# Altium PCB BMS.PcbDoc (part 1 of 2)
Units mil, origin at the board's own origin, x right, y up, seen from the top; angles counter-clockwise.
Board outline 3724.71 x 1020 mil, 4 copper layers (Component Side, Ground Plane, Power Plane, Solder Side), stack 33.234 mil thick; 191 components, 131 nets, 588 pads, 557 vias.
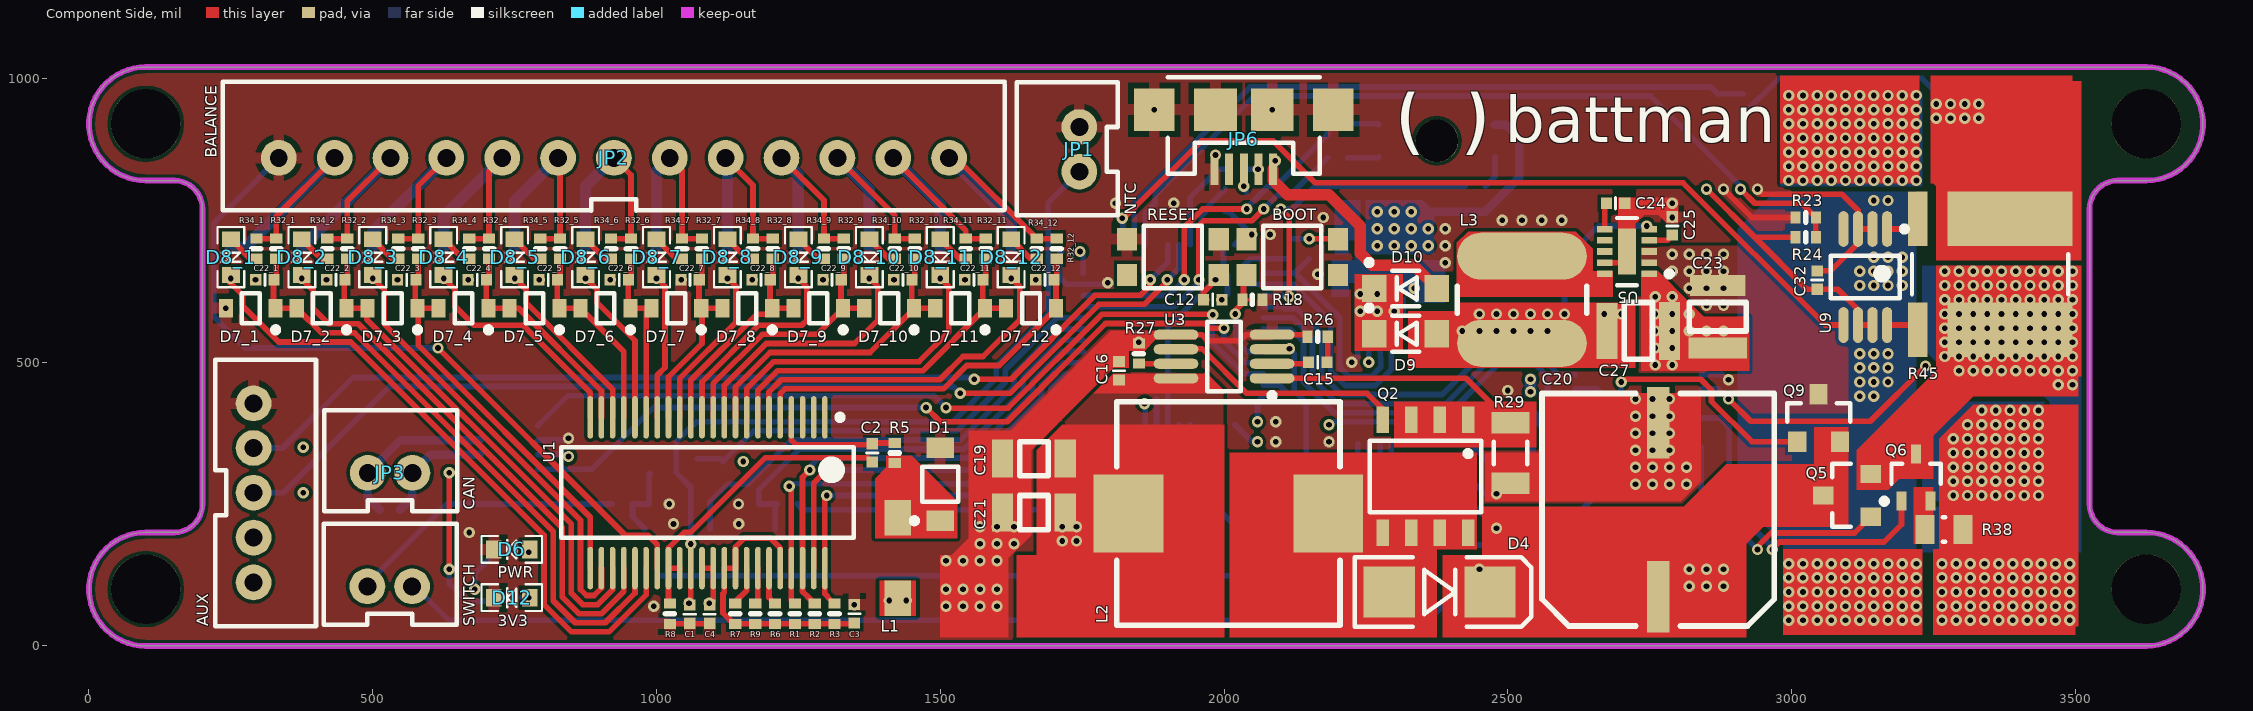
[diagram p0: Component Side view]
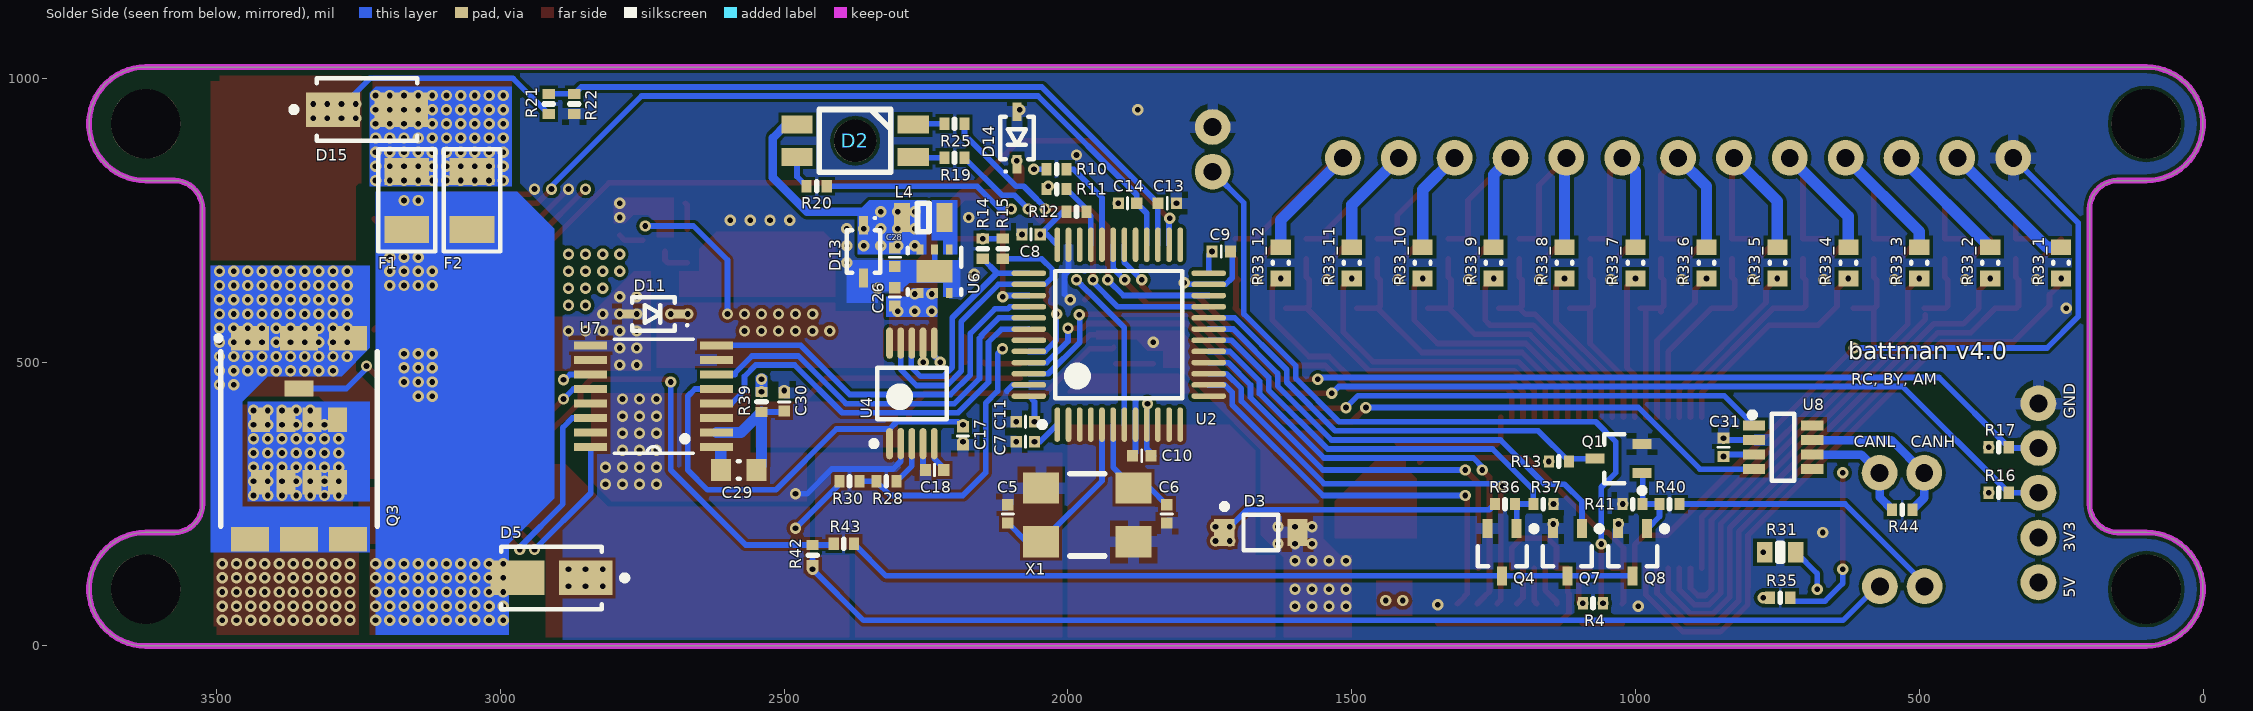
[diagram p1: Solder Side view, seen from below]
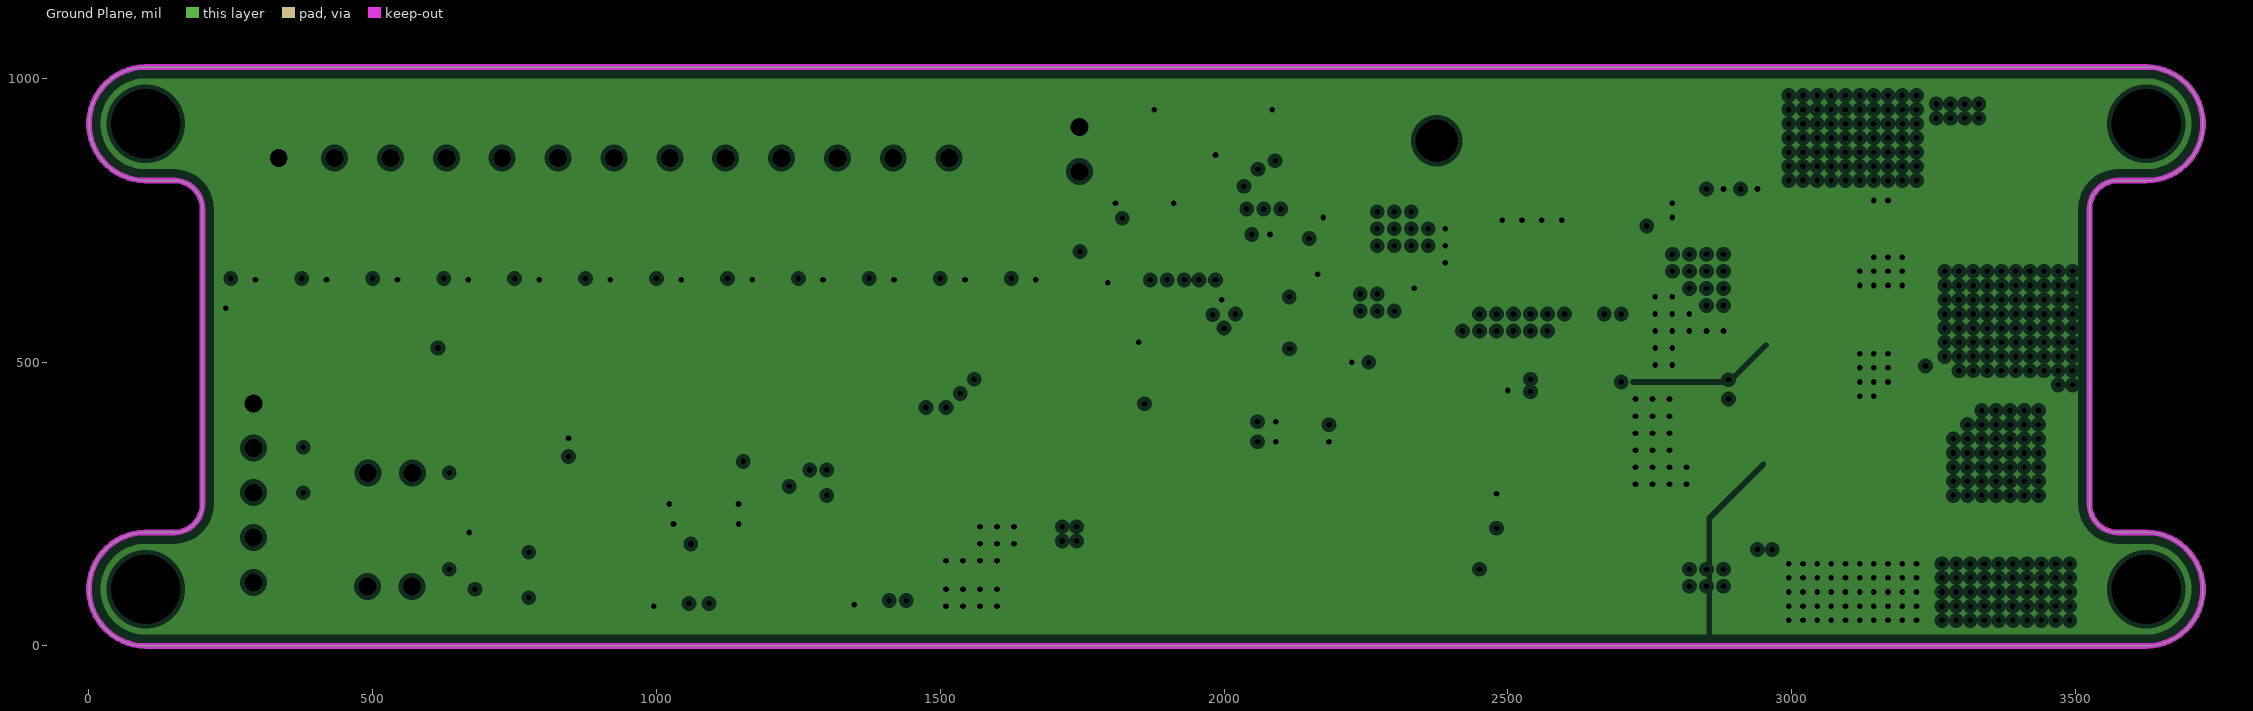
[diagram p2: Ground Plane, clearances drawn from the general rule]
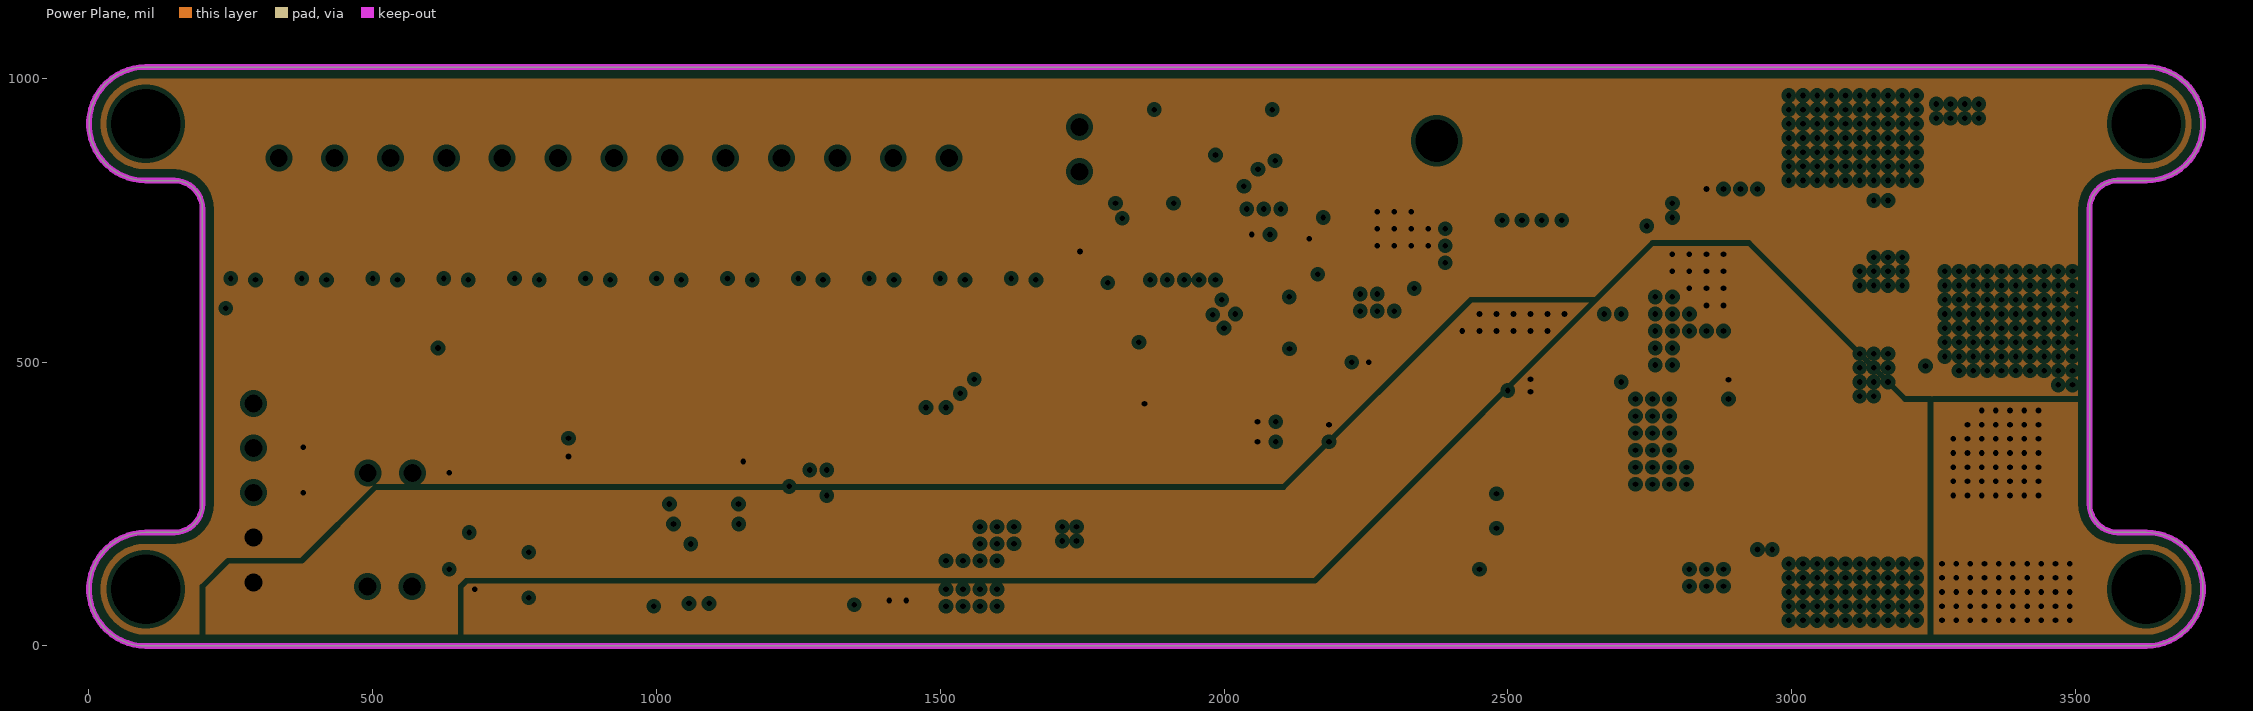
[diagram p3: Power Plane, clearances drawn from the general rule]
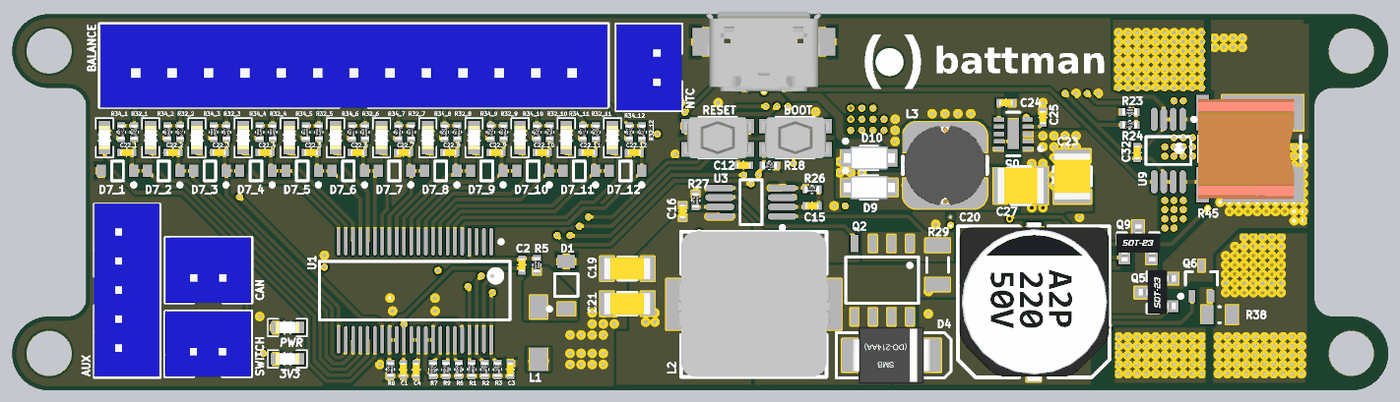
[diagram p5: 3D render of the assembled board from above, using the file's embedded part models]
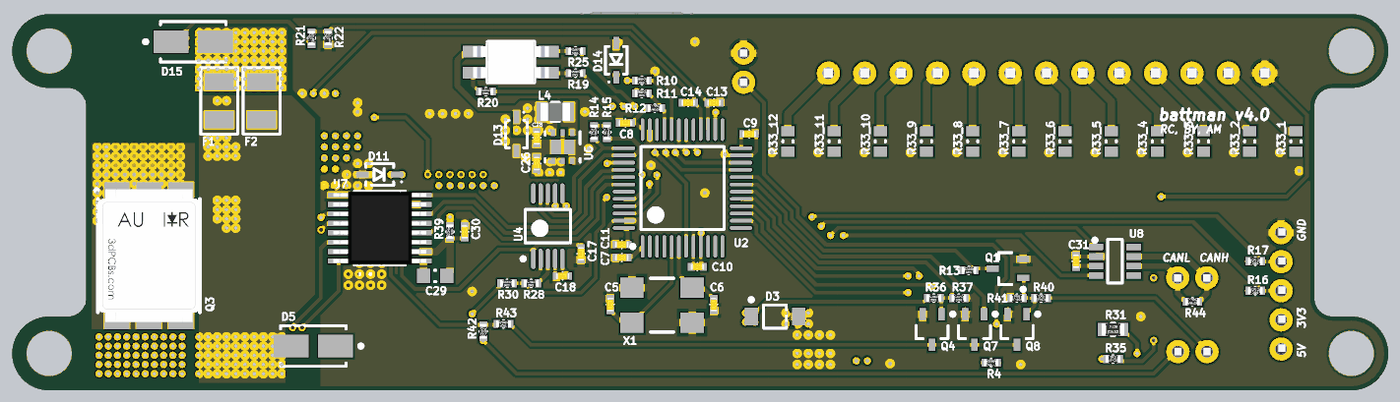
[diagram p6: 3D render of the assembled board from below, using the file's embedded part models]

## Layer stack, top to bottom
Top Solder: solder mask 0.4, Solder Resist, Dk 3.5
Component Side: signal copper 1.4
Dielectric 1: core 12.6, FR-4, Dk 4.8
Ground Plane: plane copper 1.417, net GND
Dielectric 3: prepreg 5, Dk 4.2
Power Plane: plane copper 1.417, net (Multiple Nets)
Dielectric 4: core 10, Dk 4.2
Solder Side: signal copper 1.4
Bottom Solder: solder mask 0.4, Solder Resist, Dk 3.5

## Board outline
100,200 150,200 ccw(c150,250) 200,250 200,770 ccw(c150,770) 150,820 100,820 cw(c100,920) 100,1020 3625,1020 cw(c3625,920) 3625,820 3575,820 ccw(c3575,770) 3525,770 3525,250 ccw(c3575,250) 3575,200 3625,200 cw(c3625,100) 3625,0 100,0 cw(c100,100)

## Design rules (kind name [scope] priority, off if disabled: settings)
Clearance [All] p1: gap=6
HoleSize [All] p1: absolutevalues=TRUE maxlimit=500 minlimit=1 maxpercent=80.000 minpercent=20.000
MinimumSolderMaskSliver [All] p1: minsoldermaskwidth=3
PlaneClearance [All] p1: clearance=8
PlaneConnect [All] p1: planeconnectstyle=Direct reliefexpansion=20 reliefentries=4 reliefconductorwidth=10 reliefairgap=10
PolygonConnect PolygonConnectPower [IsNamedPolygon('Power')] p1: connectstyle=Direct reliefconductorwidth=10 reliefentries=4 polygonreliefangle="90 Angle" airgapwidth=10
PolygonConnect PolygonConnectVDD [All vs InNet('VDD')] p2: connectstyle=Direct reliefconductorwidth=10 reliefentries=4 polygonreliefangle="90 Angle" airgapwidth=10
PolygonConnect PolygonConnectVia [All vs IsVia] p3: connectstyle=Direct reliefconductorwidth=10 reliefentries=4 polygonreliefangle="90 Angle" airgapwidth=10
PolygonConnect [All] p4: connectstyle=Relief reliefconductorwidth=20 reliefentries=4 polygonreliefangle="90 Angle" airgapwidth=10
RoutingVias [All] p1: holewidth=10 width=20 viastyle="Through Hole" minholewidth=10 minwidth=20 maxholewidth=28 maxwidth=50
SilkToSilkClearance [All] p1: silktosilkclearance=0
SolderMaskExpansion SolderMaskExpansionVia [IsVia] p1: expansion=1 soldermaskfromhole=TRUE
SolderMaskExpansion [All] p2: expansion=3
Width [All] p1: maxlimit=500 minlimit=10 preferedwidth=10 minimp=50.000000 maximp=50.000000 favimp=50.000000
25 further rules are at their usual default settings.

## Classes and differential pairs
component class U_Switches: C9 C29 C? D15 F1 F2 Q4 Q5 Q6 Q7 Q8 Q9 R36 R37 R38 R39 R40 R41 R42 R43 U7
component class U_LTC6803: C1 C2 C4 C27 D1 JP2 JP3 L1 R1 R2 R3 R4 R6 R7 R8 R9 R28 U1
component class U_Charging: C13 C15 C18 C19 C20 C27 C28 D4 D13 L2 Q7 R20 R27 R28 R29 R30 U2 U4
component class U_MCU: BOOT C4 C9 C11 C12 C14 C15 C23 C25 C29 C32 D13 Q1 R7 R9 R11 R13 R15 R16 R18 R19 R20 R21 R23 R24 R27 R39 R44 RESET U2 X1
channel class Cell: 1 2 3 4 5 6 7 8 9 10 11 12
component class U_3V3: C8 C12 C23 C24 C27 C28 D2 D6 D13 D14 D15 L2 L4 R15 U6 U9
component class 12: C22_12 D7_12 D8_12 R32_12 R33_12 R34_12
component class 11: C22_11 D7_11 D8_11 R32_11 R33_11 R34_11
component class 10: C22_10 D7_10 D8_10 R32_10 R33_10 R34_10
component class 9: C22_9 D7_9 D8_9 R32_9 R33_9 R34_9
component class 8: C22_8 D7_8 D8_8 R32_8 R33_8 R34_8
component class 7: C22_7 D7_7 D8_7 R32_7 R33_7 R34_7
component class 6: C22_6 D7_6 D8_6 R32_6 R33_6 R34_6
component class 5: C22_5 D7_5 D8_5 R32_5 R33_5 R34_5
component class 4: C22_4 D7_4 D8_4 R32_4 R33_4 R34_4
component class 3: C22_3 D7_3 D8_3 R32_3 R33_3 R34_3
component class 2: C22_2 D7_2 D8_2 R32_2 R33_2 R34_2
component class 1: C22_1 D7_1 D8_1 R32_1 R33_1 R34_1
component class U_CAN: C31 R44 U7
component class U_Connectors: AUX JP3 JP6 SWITCH
component class U_CurrentSense: C32 R45 U9
component class BMS: D10 R21

## Components (designator, comment, footprint, x,y, rotation, side; value= is the part's Value field where it differs from the comment)
AUX "AUX" JST-PH-5-PTH-VERT 290,270 r270 top (schematic designator JP5)
BOOT "" SWITCH 2120,685 r180 top
C1 "1uF 6.3V 0402" C0402[1005X55] 1058.6,55.98 r90 top
C2 "0.1uF 100V 0402" C0402[1005X55] 1380,340 r90 top
C3 "1uF 6.3V 0402" C0402[1005X55] 1348.6,56.72 r270 top
C4 "1uF 6.3V 0402" C0402[1005X55] 1093.6,55.98 r90 top
C5 "15pF 50V 0402" C0402[1005X55] 2105.86,232.5 r270 bottom
C6 "15pF 50V 0402" C0402[1005X55] 1825.86,232.5 r90 bottom
C7 "4.7uF 6.3V 0402" C0402[1005X55] 2075,360 r180 bottom
C8 "2.2uF 6.3V 0402" C0402[1005X55] 2065,725 r180 bottom
C9 "2.2uF 6.3V 0402" C0402[1005X55] 1730,695 r0 bottom
C10 "2.2uF 6.3V 0402" C0402[1005X55] 1870,335 r180 bottom
C11 "2.2uF 6.3V 0402" C0402[1005X55] 2075,395 r180 bottom
C12 "0.1uF 6.3V 0402" C0402[1005X55] 1980,610 r0 top
C13 "0.1uF 6.3V 0402" C0402[1005X55] 1825,780 r0 bottom
C14 "2.2uF 6.3V 0402" C0402[1005X55] 1895,780 r180 bottom
C15 "22nF 50V 0402" C0402[1005X55] 2165,500 r180 top
C16 "0.1uF 100V 0402" C0402[1005X55] 1815,485 r270 top
C17 "0.1uF 6.3V 0402" C0402[1005X55] 2185,370 r90 bottom
C18 "1uF 16V 0402" C0402[1005X55] 2235,310 r180 bottom
C19 "10uF 50V 1206" C1206[3216X160] 1665,330 r0 top
C20 "" "CAP 180UF 50V" 2765,240 r180 top
C21 "10uF 50V 1206" C1206[3216X160] 1665,235 r0 top
C22_1 "0.1uF 6.3V 0402" C0402[1005X55] 310,645 r0 top (schematic designator C22)
C22_2 "0.1uF 6.3V 0402" C0402[1005X55] 435,645 r0 top (schematic designator C22)
C22_3 "0.1uF 6.3V 0402" C0402[1005X55] 560,645 r0 top (schematic designator C22)
C22_4 "0.1uF 6.3V 0402" C0402[1005X55] 684.25,645 r0 top (schematic designator C22)
C22_5 "0.1uF 6.3V 0402" C0402[1005X55] 809.25,645 r0 top (schematic designator C22)
C22_6 "0.1uF 6.3V 0402" C0402[1005X55] 934.25,645 r0 top (schematic designator C22)
C22_7 "0.1uF 6.3V 0402" C0402[1005X55] 1059.25,645 r0 top (schematic designator C22)
C22_8 "0.1uF 6.3V 0402" C0402[1005X55] 1184.25,645 r0 top (schematic designator C22)
C22_9 "0.1uF 6.3V 0402" C0402[1005X55] 1309.25,645 r0 top (schematic designator C22)
C22_10 "0.1uF 6.3V 0402" C0402[1005X55] 1434.25,645 r0 top (schematic designator C22)
C22_11 "0.1uF 6.3V 0402" C0402[1005X55] 1559.25,645 r0 top (schematic designator C22)
C22_12 "0.1uF 6.3V 0402" C0402[1005X55] 1684.25,645 r0 top (schematic designator C22)
C23 "4.7uF 100V 1210" C1210[3225X200] 2870,580 r90 top
C24 "3.3nF 50V 0402" C0402[1005X55] 2690,780 r180 top
C25 "1uF 6.3V 0402" C0402[1005X55] 2790,740 r270 top
C26 "10uF 6.3V 0402" C0402[1005X55] 2305,615 r270 bottom
C27 "47uF 6.3V 1210" C1210[3225X250] 2730,555 r180 top
C28 "10uF 6.3V 0402" C0402[1005X55] 2305,685 r90 bottom
C29 "470nF" CAPC0603(1608)100_N 2580,310 r0 bottom
C30 "10nF 50V 0402" C0402[1005X55] 2500,430 r270 bottom
C31 "0.1uF 6.3V 0402" C0402[1005X55] 845,350 r270 bottom
C32 "0.1uF 6.3V 0402" C0402[1005X55] 3045,644.69 r270 top
D1 "" SOD-123#1 1500,285 r90 top
D2 "XZMDKCBDDG45S-9" XZMDKCBDDG45S-9 2375,890 r180 bottom
D3 "MMSZ24T1G" ONSC-SOD-123-2-425-04_V 1660,200 r180 bottom
D4 "CDBB560" DO-214AA 2380,95 r0 top
D5 "TVS 51V" VISH-DO-214AC-2_N 2910,120 r0 bottom
D6 "LED-BLUE" LED0603 745,170 r180 top
D7_1 "MM3Z12VT1G" ONSC-SOD-323-2-477-02_V 285,595 r180 top (schematic designator D7)
D7_2 "MM3Z12VT1G" ONSC-SOD-323-2-477-02_V 410,595 r180 top (schematic designator D7)
D7_3 "MM3Z12VT1G" ONSC-SOD-323-2-477-02_V 535,595 r180 top (schematic designator D7)
D7_4 "MM3Z12VT1G" ONSC-SOD-323-2-477-02_V 660,595 r180 top (schematic designator D7)
D7_5 "MM3Z12VT1G" ONSC-SOD-323-2-477-02_V 785,595 r180 top (schematic designator D7)
D7_6 "MM3Z12VT1G" ONSC-SOD-323-2-477-02_V 910,595 r180 top (schematic designator D7)
D7_7 "MM3Z12VT1G" ONSC-SOD-323-2-477-02_V 1035,595 r180 top (schematic designator D7)
D7_8 "MM3Z12VT1G" ONSC-SOD-323-2-477-02_V 1160,595 r180 top (schematic designator D7)
D7_9 "MM3Z12VT1G" ONSC-SOD-323-2-477-02_V 1285,595 r180 top (schematic designator D7)
D7_10 "MM3Z12VT1G" ONSC-SOD-323-2-477-02_V 1410,595 r180 top (schematic designator D7)
D7_11 "MM3Z12VT1G" ONSC-SOD-323-2-477-02_V 1535,595 r180 top (schematic designator D7)
D7_12 "MM3Z12VT1G" ONSC-SOD-323-2-477-02_V 1660,595 r180 top (schematic designator D7)
D8_1 "LED_0603" LED0603 250,685 r270 top (schematic designator D8)
D8_2 "LED_0603" LED0603 375,685 r270 top (schematic designator D8)
D8_3 "LED_0603" LED0603 500,685 r270 top (schematic designator D8)
D8_4 "LED_0603" LED0603 625,685 r270 top (schematic designator D8)
D8_5 "LED_0603" LED0603 750,685 r270 top (schematic designator D8)
D8_6 "LED_0603" LED0603 875,685 r270 top (schematic designator D8)
D8_7 "LED_0603" LED0603 1000,685 r270 top (schematic designator D8)
D8_8 "LED_0603" LED0603 1125,685 r270 top (schematic designator D8)
D8_9 "LED_0603" LED0603 1250,685 r270 top (schematic designator D8)
D8_10 "LED_0603" LED0603 1375,685 r270 top (schematic designator D8)
D8_11 "LED_0603" LED0603 1500,685 r270 top (schematic designator D8)
D8_12 "LED_0603" LED0603 1625,685 r270 top (schematic designator D8)
D9 "PMEG6020ER" SOD-123#2 2320,550 r0 top
D10 "PMEG6020ER" SOD-123#2 2320,630 r0 top
D11 "SP4021-01FTG" SOD-323 2730,585 r0 bottom
D12 "LED_0603" LED0603 745,85 r180 top
D13 "SP4020-01FTG" SOD323 2360,695 r270 bottom
D14 "SP4021-01FTG" SOD-323 2090,895 r90 bottom
D15 "TVS 51V" VISH-DO-214AC-2_N 3235,945 r180 bottom
F1 "25A" 1206_FUSE 3165,785 r90 bottom
F2 "25A" 1206_FUSE 3050,785 r90 bottom
JP1 "NTC" JST-PH-2-PTH-VERT 1745,875 r90 top
JP2 "BALANCE" JST-XH-13-PTH-VERT 925,860 r0 top
JP3 "CAN" JST-PH-2-PTH-VERT 530.63,305 r0 top
JP6 "USB" USB-MICROB 2035,945 r180 top
L1 "" MURA-BLM31-B60-CHIP-2_V3 1425,155 r90 top
L2 "SRP1038A-220M" SRP1038A 2007.55,233.27 r0 top
L3 "" SDR0604 2525,610 r270 top
L4 "2.2uH" IND0805 2255,755 r0 bottom
Q1 "BSS123" SOT323-3 1030,330 r0 bottom
Q2 "FDS5672" SOIC127P600X175-8N 2355,298.82 r270 top
Q3 "IRF7749L2" DIRECTFET-9 3355,365 r270 bottom
Q4 "BSS123" SOT323-3 1235,165 r270 bottom
Q5 "PMV16XNR" SOT23-3 3100,265 r90 top
Q6 "BSS123WQ-7-F" SOT323-3 3219.41,296.54 r90 top
Q7 "BSS123" SOT323-3 1120,165 r270 bottom
Q8 "BSS123" SOT323-3 1005,165 r270 bottom
Q9 "BSS84P H6327" SOT23-3 3047.4,399.37 r0 top
R1 "1M 1% 0402" R0402[1005] 1243.86,56.72 r90 top
R2 "1M 1% 0402" R0402[1005] 1278.86,56.72 r90 top
R3 "1M 1% 0402" R0402[1005] 1313.6,56.72 r90 top
R4 "100K 1% 0402" R0402[1005] 1075,75 r0 bottom
R5 "100R 1% 0402" R0402[1005] 1420,340 r270 top
R6 "1M 1% 0402" R0402[1005] 1208.88,56.72 r270 top
R7 "1M 1% 0402" R0402[1005] 1138.86,56.72 r270 top
R8 "100R 1% 0402" R0402[1005] 1023.6,56.72 r90 top
R9 "1M 1% 0402" R0402[1005] 1173.86,56.72 r270 top
R10 "22R 1% 0402" R0402[1005] 2020,840 r0 bottom
R11 "22R 1% 0402" R0402[1005] 2020,805 r0 bottom
R12 "1K5 1% 0402" R0402[1005] 1985,765 r180 bottom
R13 "4K7 1% 0402" R0402[1005] 1135,325 r0 bottom
R14 "4K7 1% 0402" R0402[1005] 2150,700 r90 bottom
R15 "4K7 1% 0402" R0402[1005] 2115,700 r90 bottom
R16 "4K7 1% 0402" R0402[1005] 360,270 r0 bottom
R17 "4K7 1% 0402" R0402[1005] 360,350 r0 bottom
R18 "10K 1% 0402" R0402[1005] 2050,610 r0 top